# Altium PCB PCB1.PcbDoc
Units mm, origin at the board's own origin, x right, y up, seen from the top; angles counter-clockwise.
Board outline 97 x 56 mm, 2 copper layers (Top Layer, Bottom Layer); 74 components, 59 nets, 276 pads, 137 vias.
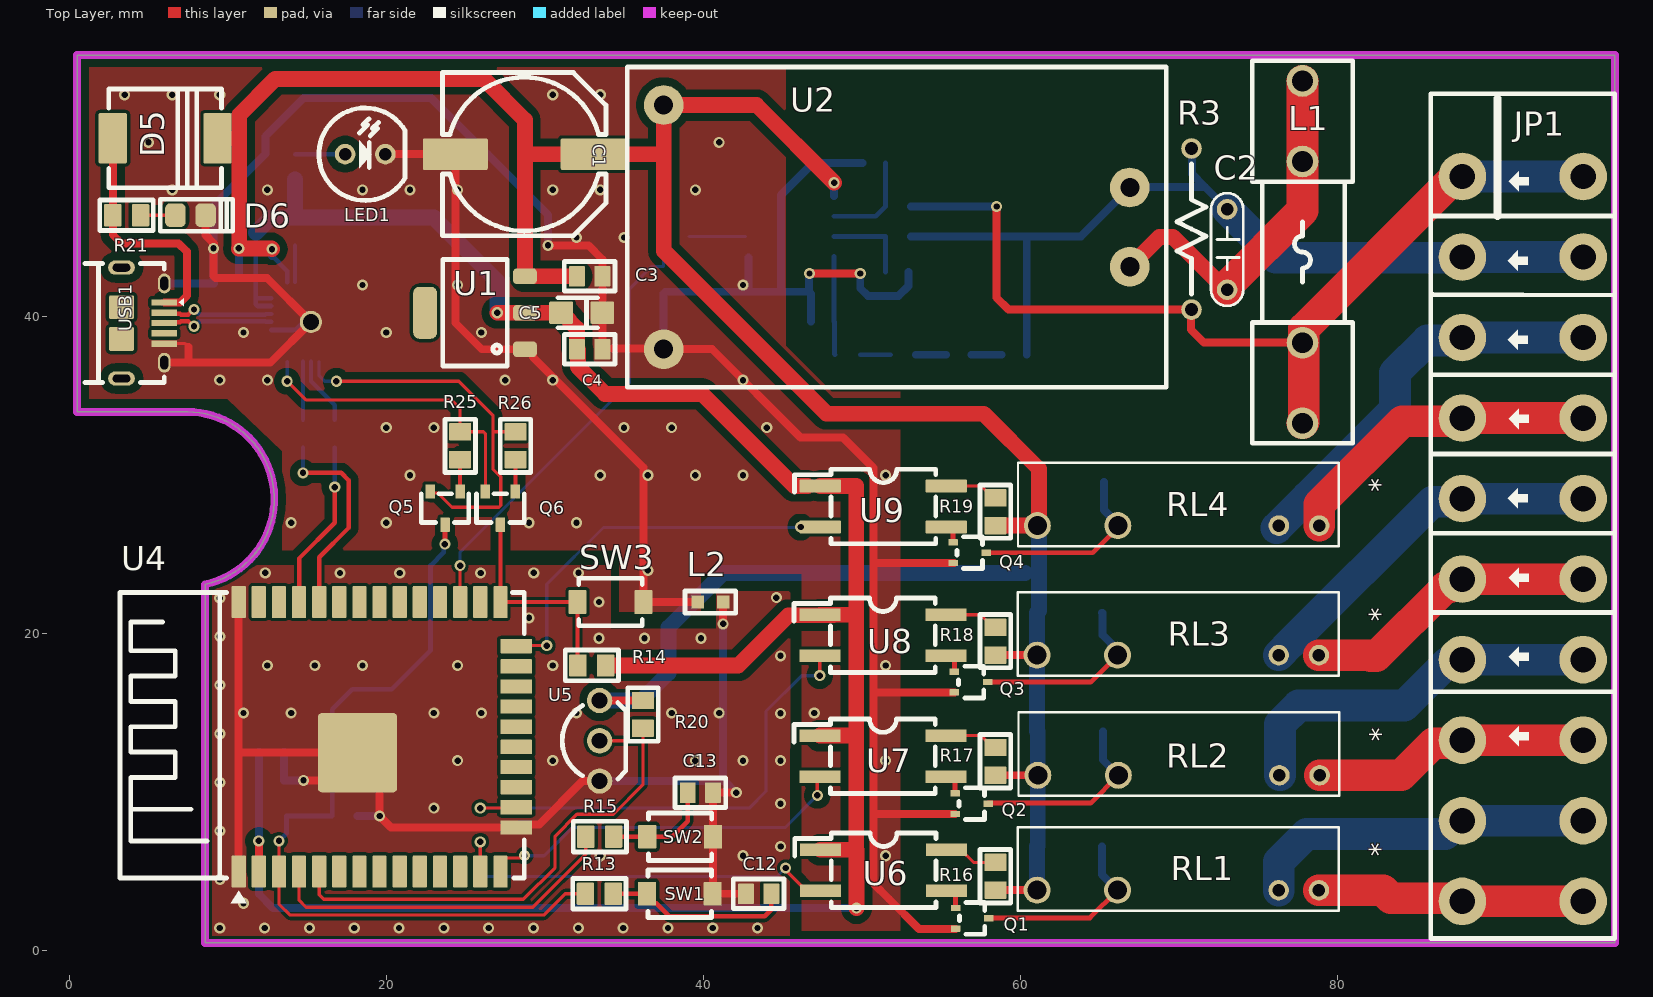
[diagram p0: Top Layer view]
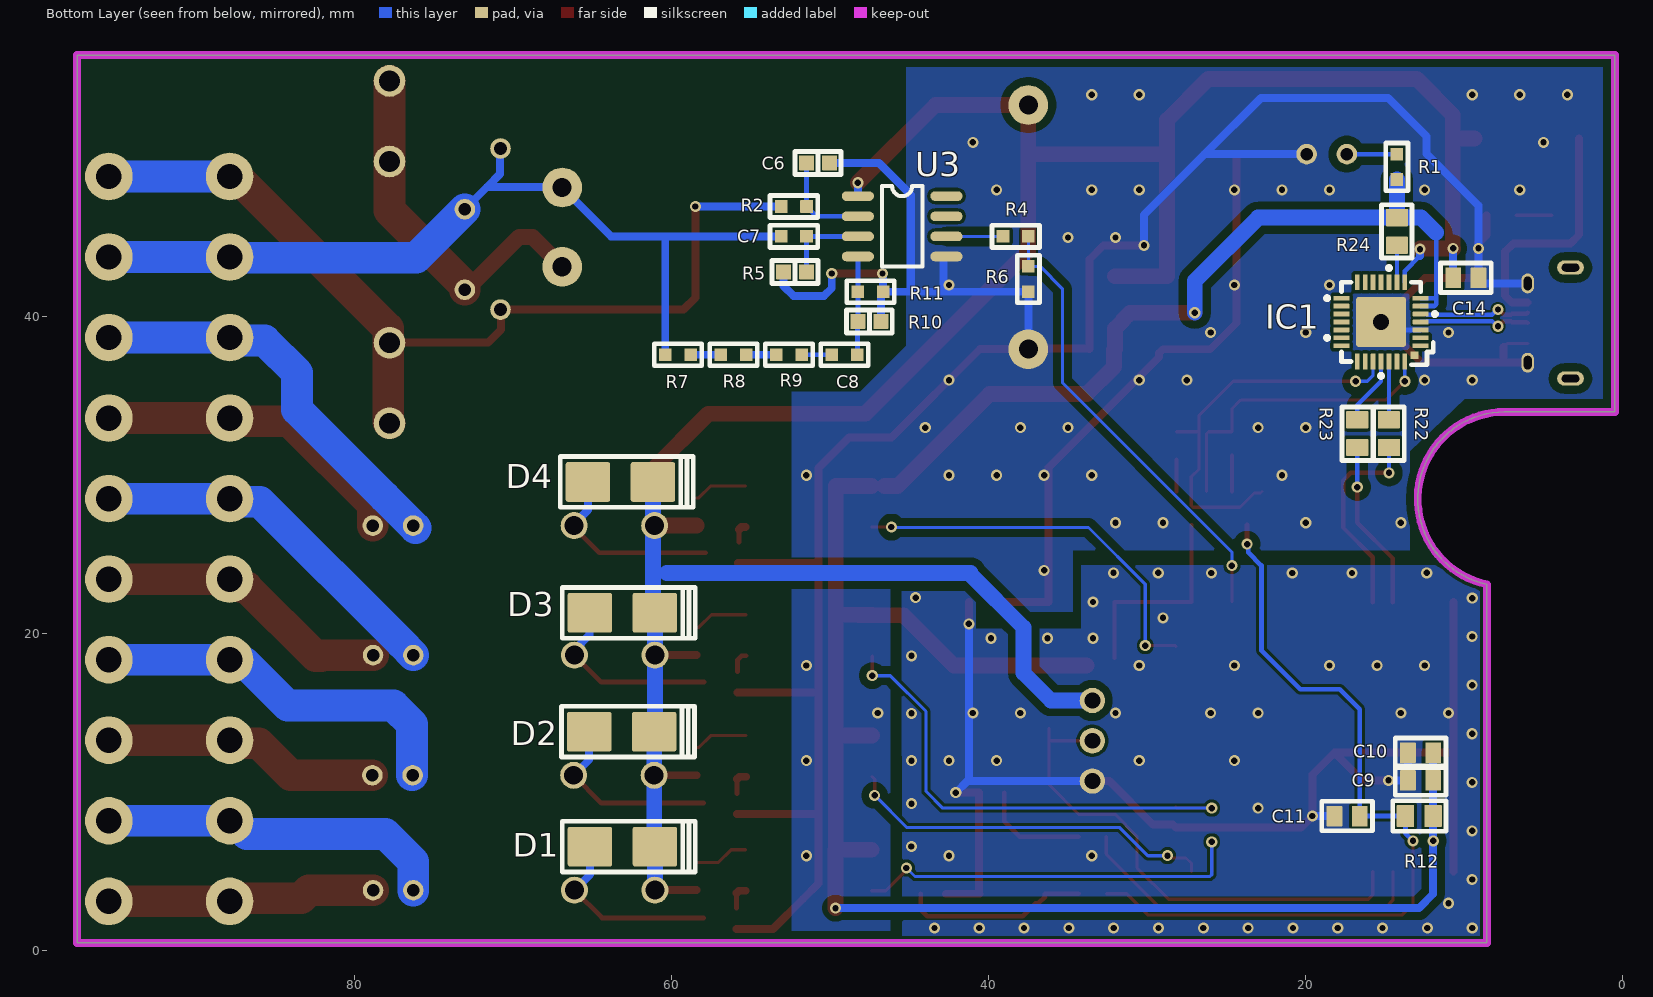
[diagram p1: Bottom Layer view, seen from below]
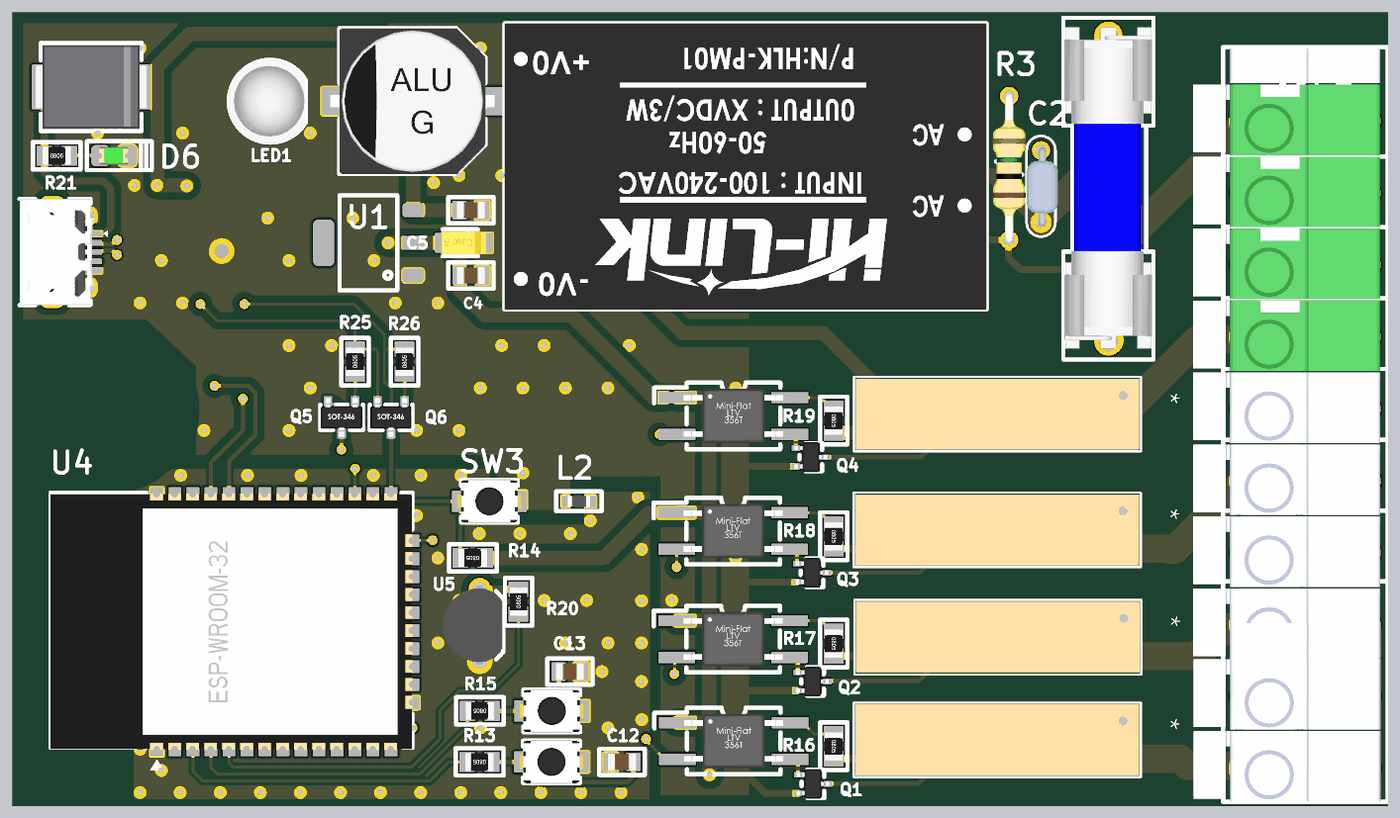
[diagram p2: 3D render of the assembled board from above, using the file's embedded part models]
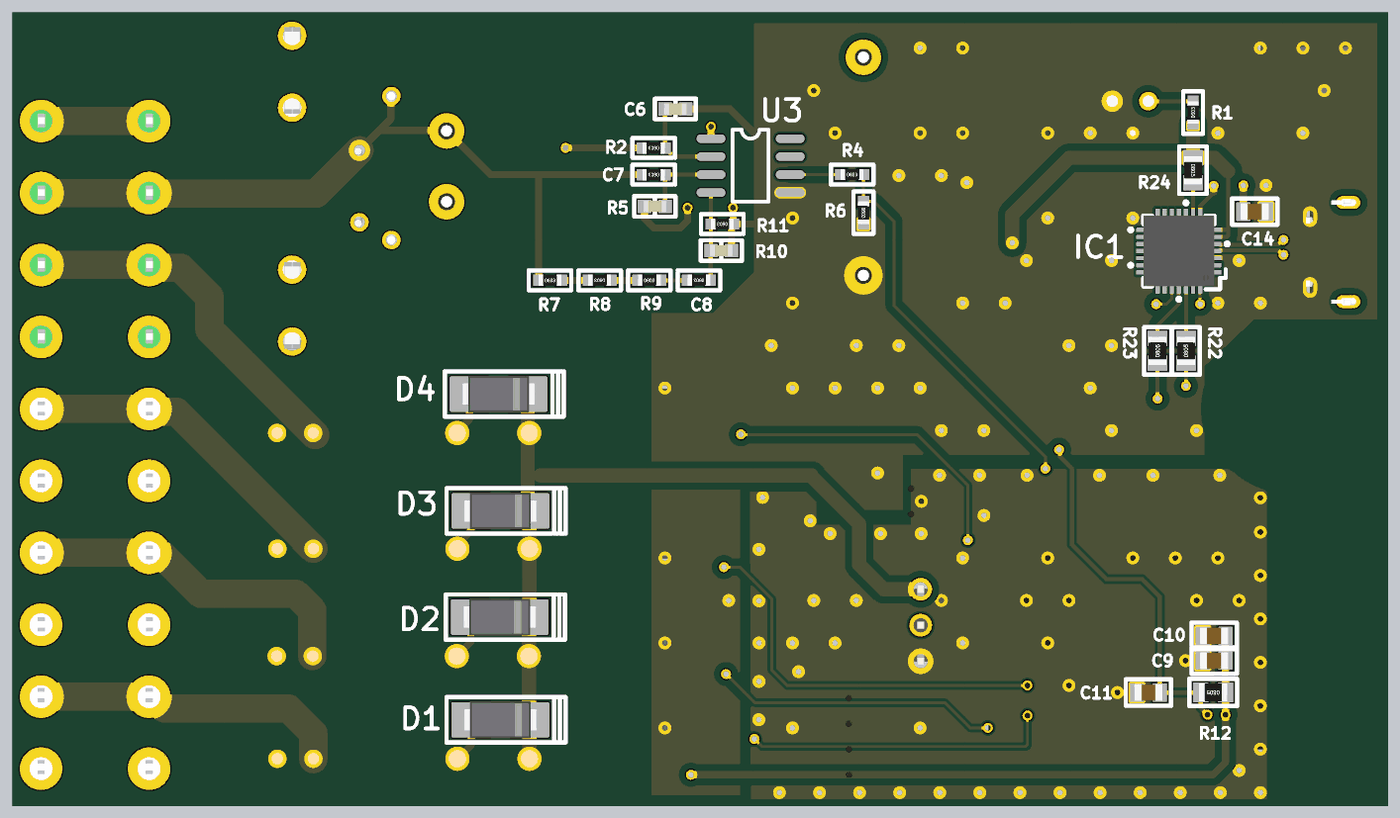
[diagram p3: 3D render of the assembled board from below, using the file's embedded part models]

## Layer stack, top to bottom
Top Solder: solder mask 0.0102, Solder Resist, Dk 3.5
Top Layer: signal copper 0.0356
Dielectric 1: dielectric 0.32, FR-4, Dk 4.8
Bottom Layer: signal copper 0.0356
Bottom Solder: solder mask 0.0102, Solder Resist, Dk 3.5

## Board outline
0.5,33.999 7.514,33.999 7.438,34 cw(c7.437,28.5) 8.581,23.12 8.575,23.12 8.575,0.5 97.5,0.5 97.5,56.5 0.5,56.5

## Design rules (kind name [scope] priority, off if disabled: settings)
Clearance Clearance_90 [InNetClass('NC90')] p1: gap=0.12 ignorepadtopadclearanceinfootprint=FALSE
Clearance Clearance_PW [InNetClass('NC_PW')] p2: gap=0.5 ignorepadtopadclearanceinfootprint=FALSE except(0.15: Arc-Arc Arc-Track Arc-SMDPad Arc-THPad Arc-Hole Track-Track Track-SMDPad Track-THPad Track-Hole SMDPad-SMDPad SMDPad-Hole THPad-Hole; 0.2: SMDPad-THPad SMDPad-Via SMDPad-Fill SMDPad-Poly SMDPad-Region SMDPad-Text)
Clearance Clearance_Signal [All] p3: gap=0.2 ignorepadtopadclearanceinfootprint=FALSE
DiffPairsRouting [InDifferentialPairClass('DIFF90')] p1: maxlimit=0.127 minlimit=0.127 mostfreqgap=0.127 toplayer_minwidth=0.279 toplayer_maxwidth=0.279 toplayer_prefwidth=0.279 bottomlayer_minwidth=0.279 bottomlayer_maxwidth=0.279 bottomlayer_prefwidth=0.279 impedanceprofiledriven=TRUE impedanceprofileid={47119DB9-42C9-4A28-86A4-2072DF9BC5AB} impedanceprofilevalue=90.000000 maxuncoupledlength=12.7
MatchedLengths [InDifferentialPairClass('DIFF90')] p1: tolerance=0.127 checknetsindiffpair=FALSE checkdiffpairvsdiffpair=TRUE checkxsignals=TRUE checkothers=TRUE
PolygonConnect [All] p1: connectstyle=Direct reliefconductorwidth=0.5 reliefentries=4 polygonreliefangle="90 Angle" airgapwidth=0.5
RoutingVias [All] p1: holewidth=0.4 width=0.7 viastyle="Through Hole" minholewidth=0.4 minwidth=0.7 maxholewidth=0.4 maxwidth=0.7
SolderMaskExpansion [All] p1: expansion=0.102 istentingtop=FALSE
Width Width_PW [InNetClass('NC_PW')] p1: maxlimit=4 minlimit=0.2 preferedwidth=2
Width Width_Signal [All] p2: maxlimit=0.5 minlimit=0.15 preferedwidth=0.15
29 further rules are at their usual default settings.

## Classes and differential pairs
net class NC90: USB_N USB_P
differential pair class DIFF90: USB
net class NC_PW: 3.3V_ESP 5V NetC2_2 PGND RL1_1 RL1_2 RL2_1 RL2_2 RL3_1 RL3_2 RL4_1 RL4_2 V220L V220N
component class 04-OUTPUT: D1 D2 D3 D4 JP1 Q1 Q2 Q3 Q4 R16 R17 R18 R19 RL1 RL2 RL3 RL4 U6 U7 U8 U9
component class 02-ESP32: C9 C10 C11 C12 C13 R12 R13 R14 R15 SW1 SW2 U4 U5
component class 01-POWER: C1 C2 C3 C4 C5 C6 C7 C8 L1 L2 LED1 R1 R2 R3 R4 R5 R6 R7 R8 R9 R10 R11 U1 U2 U3
component class 05-USB-UART: C14 D5 D6 IC1 Q5 Q6 R20 R21 R22 R23 R24 R25 R26 SW3 USB1
differential pair USB: +USB_P -USB_N

## Components (designator, comment, footprint, x,y, rotation, side; value= is the part's Value field where it differs from the comment)
C1 "220uF" "CAP ALU CASE G SMD" 28.705,50.25 r180 top
C2 "0.1uF/275Vac" CN2 73.045,46.78 r270 top
C3 "0.1uF" CAP_CERA_C2012(CC0805INCH) 32.83,42.55 r180 top
C4 "0.1uF" CAP_CERA_C2012(CC0805INCH) 32.83,37.95 r180 top
C5 "22uF" "CAP TANT CASE A SMD" 32.33,40.25 r180 top
C6 "0.1uF" "Cap Ceramic 0603 SMD" 50.763,49.7 r0 bottom
C7 "0.1uF" "Cap Ceramic 0603 SMD" 52.212,42.825 r180 bottom
C8 "0.1uF" "Cap Ceramic 0603 SMD" 47.525,39.7 r0 bottom
C9 "22uF/25V/C0805/10%" CAP_CERA_C2012(CC0805INCH) 12.76,10.75 r180 bottom
C10 "0.1uF/25V/C0805/10%" CAP_CERA_C2012(CC0805INCH) 12.76,12.5 r180 bottom
C11 "0.1uF/25V/C0805/10%" CAP_CERA_C2012(CC0805INCH) 17.395,8.5 r180 bottom
C12 "10uF/25V/C0805/10%" CAP_CERA_C2012(CC0805INCH) 43.49,3.6 r180 top
C13 "10uF/25V/C0805/10%" CAP_CERA_C2012(CC0805INCH) 39.813,9.975 r0 top
C14 "0.1uF/25V" CAP_CERA_C2012(CC0805INCH) 9.9,42.45 r0 bottom
D1 "SSC53L-E3/57T" "1n4007 smd DO214" 63.103,6.574 r180 bottom
D2 "SSC53L-E3/57T" "1n4007 smd DO214" 63.148,13.824 r180 bottom
D3 "SSC53L-E3/57T" "1n4007 smd DO214" 63.103,21.324 r180 bottom
D4 "SSC53L-E3/57T" "1n4007 smd DO214" 63.228,29.574 r180 bottom
D5 "SK56L-TP" "30# SK56L-TPMSCT-ND" 6.052,51.25 r0 top
D6 "GREEN 0805" "Led 0805G" 7.652,46.4 r0 top
IC1 "CP2102-QFN28" CP2102-QFN28 15.25,39.668 r90 bottom
JP1 "JP8" "KF142V 10PIN" 91.69,31.065 r270 top value="Connector 8"
L1 "ASPI-7318-8R2M-TCT-ND" FUSE2_5A 77.795,44.075 r90 top
L2 "ASPI-7318-8R2M-TCT-ND" RES-ERJ3G-1608MM 40.45,22 r0 top
LED1 "LED" LED5R 17.405,50.25 r0 top value="LED 3 ly Single Colour"
Q1 "MCH3209-TL-E" "MCH3209-TL-E  SOT-323" 56.958,2.05 r270 top
Q2 "MCH3209-TL-E" "MCH3209-TL-E  SOT-323" 56.929,9.279 r270 top
Q3 "MCH3209-TL-E" "MCH3209-TL-E  SOT-323" 56.891,16.955 r270 top
Q4 "MCH3209-TL-E" "MCH3209-TL-E  SOT-323" 56.806,25.115 r270 top
Q5 "DTC143ZKAT146" "6# DTC143ZKAT146-E" 23.71,27.925 r180 top
Q6 "DTC143ZKAT146" "6# DTC143ZKAT146-E" 27.2,27.925 r180 top
R1 "10K" "Res 0603 SMD" 14.25,49.45 r90 bottom
R2 "1k" "Res 0603 SMD" 52.288,46.95 r0 bottom
R3 "1K" CFR25S 70.795,40.45 r90 top
R4 "10K" "Res 0603 SMD" 38.295,45.068 r180 bottom
R5 "1K" "Res 0603 SMD" 52.287,45.065 r0 bottom
R6 "15K" "Res 0603 SMD" 37.495,42.375 r270 bottom
R7 "470K" "Res 0603 SMD" 59.6,37.6 r180 bottom
R8 "470K" "Res 0603 SMD" 56.1,37.6 r0 bottom
R9 "470K" "Res 0603 SMD" 52.6,37.6 r180 bottom
R10 "470K" "Res 0603 SMD" 49.1,37.6 r0 bottom
R11 "1K" "Res 0603 SMD" 47.45,41.575 r0 bottom
R12 "10K/R0805/1%" "Res 0805 SMD" 12.835,8.5 r0 bottom
R13 "0R/R0805/1%" "Res 0805 SMD" 33.44,3.6 r180 top
R14 "4K7" "Res 0805 SMD" 36.19,14.915 r90 top
R15 "0R/R0805/1%" "Res 0805 SMD" 33.463,7.2 r180 top
R16 "10K" "Res 0805 SMD" 58.428,4.699 r270 top
R17 "10K" "Res 0805 SMD" 58.428,11.949 r270 top
R18 "10K" "Res 0805 SMD" 58.428,19.526 r270 top
R19 "10K" "Res 0805 SMD" 58.428,27.699 r270 top
R20 "10K" "Res 0805 SMD" 32.962,18 r180 top
R21 "1K" "Res 0805 SMD" 3.625,46.4 r0 top
R22 "1k" "Res 0805 SMD" 14.75,32.625 r90 bottom
R23 "1k" "Res 0805 SMD" 16.75,32.625 r90 bottom
R24 "4.7K" "Res 0805 SMD" 14.25,45.375 r270 bottom
R25 "10K" "Res 0805 SMD" 24.66,31.863 r90 top
R26 "10K" "Res 0805 SMD" 28.15,31.863 r90 top
RL1 "Relay T9GV1L14-5 30A 5V" RELAY_PA1A_PAN 78.833,6.491 r270 top
RL2 "Relay T9GV1L14-5 30A 5V" RELAY_PA1A_PAN 78.878,13.741 r270 top
RL3 "Relay T9GV1L14-5 30A 5V" RELAY_PA1A_PAN 78.833,21.319 r270 top
RL4 "Relay T9GV1L14-5 30A 5V" RELAY_PA1A_PAN 78.848,29.491 r270 top
SW1 "RST" "Button 3x4mm" 38.515,3.6 r180 top
SW2 "RST" "Button 3x4mm" 38.538,7.2 r180 top
SW3 "FLASH" "Button 3x4mm" 34.14,22 r0 top
U1 "AMS1117" AMS1117-3.3V 25.6,40.248 r180 top
U2 "HLK-5M05" "HILINK 5V/3W" 52.2,45.65 r180 top
U3 "HLW8032" SO-8 48.25,47.605 r180 bottom
U4 "ESP-WROOM-32" "ESP32 WROOM" 10.69,5 r90 top
U5 "DS18B20" P2N2222AG 33.462,13.25 r90 top
U6 "TPC817S1B-SOP4" TPC817-4SOP 51.37,5.083 r0 top
U7 "TPC817S1B-SOP4" TPC817-4SOP 51.328,12.277 r0 top
U8 "TPC817S1B-SOP4" TPC817-4SOP 51.328,19.902 r0 top
U9 "TPC817S1B-SOP4" TPC817-4SOP 51.354,28.027 r0 top
USB1 "USB_Micro" "USB_MICRO_B - Digikey" 6,40.9 r270 top

## Footprints (in the part's own frame and the unit in brackets; to place one, negate y for a bottom-side part, rotate by r counter-clockwise, add the part's x,y. Pads: shape width x height; smd on the part's side, far side on the other; paste and mask are expansions set on the pad)
"1n4007 smd DO214" [mm] "DO214 4.57x2.79mm"
  rrect10% 2.8x2.5 smd mask+0.1: 1(-2.05,0) 2(2.05,0)
  silkscreen extent -3.8,-1.6 4.6,1.6, body extent -2.6,-1.3 2.6,1.3, height 2.5
"6# DTC143ZKAT146-E" [mm] "SOT-346 SMT3"
  rrect10% 0.6x0.9 smd mask+0.05: 1(0.95,-1.05) 2(-0.95,-1.05) 3(0,1.05)
  silkscreen extent -1.5,-0.9 1.5,0.9, body extent -1.45,-1.4 1.45,1.4, height 1.2
"30# SK56L-TPMSCT-ND" [mil] "SK56L-TPMSCT-ND(DO-214AB)"
  rrect10% 70x125 smd: 1(-130,0) 2(130,0)
  silkscreen extent -140,-122 140,122, body extent -156,-116 157,116, height 87
AMS1117-3.3V [mm] "SOT223, 4-Leads, Body 6.7x7.3mm (max), Pitch 2.30mm, IPC Medium Density"
  rrect50% 1.5x1 smd: 1(-3.15,2.3) 2(-3.15,0) 3(-3.15,-2.3)
  rrect50% 1.5x3.28 smd: 4(3.15,0)
  silkscreen extent -2.03,-3.35 2.03,3.35
"Button 3x4mm" [mm] "SMD 3x4mm"
  rrect10% 1.143x1.5 smd: 1(-2.075,0) 2(2.075,0)
  silkscreen extent -2,-1.5 2,1.5, body extent -2.25,-1.55 2.25,1.55, height 2.05
"CAP ALU CASE G SMD" [mm]
  rrect10% 4.1x2 smd mask+0.1: 1(-4.35,0) 2(4.35,0)
  silkscreen extent -5.15,-5.15 5.15,5.15, body extent -5.8,-5.15 5.8,5.15, height 10.2
"Cap Ceramic 0603 SMD" [mm] "Reflow Soldering"
  rrect10% 0.95x0.95 smd mask+0.1: 1(-0.725,0) 2(0.725,0)
  silkscreen extent -1.45,-0.72 1.45,0.73, body extent -0.8,-0.4 0.8,0.4, height 0.85
"CAP TANT CASE A SMD" [mm] "32x16mm"
  rrect10% 1.5x1.4 smd mask+0.1: 1(-1.3,0) 2(1.3,0)
  silkscreen extent -1,-0.95 1.5,0.95, body extent -1.6,-0.8 1.6,0.8, height 1.65
CAP_CERA_C2012(CC0805INCH) [mm] "Chip Capacitor, 2-Leads, Body 2.0x1.3mm, IPC Medium Density"
  rrect10% 1x1.3 smd: 1(-0.8,0) 2(0.8,0)
  silkscreen extent -1.6,-0.93 1.6,0.93, body extent -1,-0.6 1,0.6, height 0.95
CFR25S [mm] "RESISTOR_1/4W"
  round 1.3 hole 0.8: 1(0,0) 2(10.16,0)
  silkscreen extent 0.98,-0.92 9.18,0.92, body extent -0.3,-1.16 10.47,1.16, height 2.93
CN2 [mm]
  round 1.3 hole 0.8 mask+0.1: 1(0,0) 2(5.08,0)
  silkscreen extent -1.01,-1.02 6.09,1.02, body extent -0.19,-1.01 5.39,1.2, height 6.08
CP2102-QFN28 [mm] "QFN28 5x5 pitch 0.5"
  rrect10% 0.3x1 smd mask+0.05: 1(-1.5,-2.5) 2(-1,-2.5) 3(-0.5,-2.5) 4(0,-2.5) 5(0.5,-2.5) 6(1,-2.5) 7(1.5,-2.5) 15(1.5,2.5) 16(1,2.5) 17(0.5,2.5) 18(0,2.5) 19(-0.5,2.5) 20(-1,2.5) 21(-1.5,2.5)
  rrect10% 1x0.3 smd mask+0.05: 8(2.5,-1.5) 9(2.5,-1) 10(2.5,-0.5) 11(2.5,0) 12(2.5,0.5) 13(2.5,1) 14(2.5,1.5) 22(-2.5,1.5) 23(-2.5,1) 24(-2.5,0.5) 25(-2.5,0) 26(-2.5,-0.5) 27(-2.5,-1) 28(-2.5,-1.5)
  round 1.4 hole 1 mask+0.2: 29(0,0)
  rrect10% 3.15x3.15 smd mask+0.05: 29(0,0)
  rrect10% 0.5x0.5 smd mask+0.05: ""(-2.1,-2.1)
  silkscreen extent -3.5,-3.5 3.5,3.5, body extent -2.5,-2.5 2.5,2.5, height 1
"ESP32 WROOM" [mm] "ESP32 WROOM"
  rrect10% 2x0.9 smd: 1(0,0) 2(0,-1.27) 3(0,-2.54) 4(0,-3.81) 5(0,-5.08) 6(0,-6.35) 7(0,-7.62) 8(0,-8.89) 9(0,-10.16) 10(0,-11.43) 11(0,-12.7) 12(0,-13.97) 13(0,-15.24) 14(0,-16.51) 25(17,-16.51) 26(17,-15.24) 27(17,-13.97) 28(17,-12.7) 29(17,-11.43) 30(17,-10.16) 31(17,-8.89) 32(17,-7.62) 33(17,-6.35) 34(17,-5.08) 35(17,-3.81) 36(17,-2.54) 37(17,-1.27) 38(17,0)
  rrect10% 0.9x2 smd: 15(2.785,-17.51) 16(4.055,-17.51) 17(5.325,-17.51) 18(6.595,-17.51) 19(7.865,-17.51) 20(9.135,-17.51) 21(10.405,-17.51) 22(11.675,-17.51) 23(12.945,-17.51) 24(14.215,-17.51)
  rrect10% 5x5 smd: 39(7.5,-7.5)
  silkscreen extent -2,-18.02 17.6,7.49, body extent -0.54,-18.02 17.54,7.52, height 3
FUSE2_5A [mm] "Fuse 2.5A  250V"
  round 2 hole 1.3: 1(-10.795,0) 1(-5.715,0) 2(5.715,0) 2(10.795,0)
  silkscreen extent -12.06,-3.18 12.06,3.18, body extent -11.3,-3.09 11.4,3.1, height 9.6
"HILINK 5V/3W" [mm]
  round 2.5 hole 1.2: 1(-14.7,2.5) 2(-14.7,-2.5) 3(14.7,7.7) 4(14.7,-7.7)
  silkscreen extent -17,-10.1 17,10.1, body extent -17,-10.1 17,10.1, height 15.01
"KF142V 10PIN" [mm]
  round 3 hole 1.6 mask+0.1: 1(-17.78,-3.81) 2(-12.7,-3.81) 3(-7.62,-3.81) 4(-2.54,-3.81) 5(2.54,-3.81) 6(7.62,-3.81) 7(12.7,-3.81) 8(17.78,-3.81) 9(22.86,-3.81) 10(27.94,-3.81) 11(27.94,3.81) 12(22.86,3.81) 13(17.78,3.81) 14(12.7,3.81) 15(7.62,3.81) 16(2.54,3.81) 17(-2.54,3.81) 18(-7.62,3.81) 19(-12.7,3.81) 20(-17.78,3.81)
  silkscreen extent -23,-5.81 30.28,5.8, body extent -22.89,-7.91 30.27,5.3, height 14.1
LED5R [mm] "LED, RED, 2 LEAD, 5mm"
  round 1.3 hole 0.8: 1(0,0) 2(2.54,0)
  silkscreen extent -1.65,-2.92 3.77,2.92, body extent -1.71,-3.01 3.71,3.01, height 12.31
"Led 0805G" [mm] "Chip LED; Green; Body 2.0 x 1.3 mm (LxW typ)"
  rrect50% 1.3x1.5 smd: 1(-0.95,0) 2(0.95,0)
  silkscreen extent -1.91,-1.02 2.67,1.02, body extent -1.04,-0.62 0.98,0.62, height 1.1
"MCH3209-TL-E  SOT-323" [mm] "TRANS NPN 30V 3A MCPH3  SOT-323"
  rrect10% 0.4x0.6 smd mask+0.1: 1(-0.65,-1.05) 2(0.65,-1.05) 3(0,1.05)
  silkscreen extent -1,-0.8 1.1,0.8, body extent -1.05,-1.15 1.05,1.15, height 0.9
P2N2222AG [mm] "TO-92 Bent Lead, Flat Index; 3 In-Line, Axial Leads; Body Dia. 4.5mm; Leads 0.51 x 0.48 mm (max)"
  round 1.6 hole 1 mask+0.1: 1(-2.54,0) 2(0,0)
  round 1.6 hole 1: 3(2.54,0)
  silkscreen extent -2.41,-1.65 2.41,2.37, body extent -2.79,-1.59 2.79,2.61, height 10
RELAY_PA1A_PAN [mil]
  round 67 / inner round 60 / far side round 67 hole 47 paste-99999 mask+0: 1(105,-700) 2(105,-500)
  round 51 / inner round 60 / far side round 51 hole 31 paste-99999 mask+0: 3(105,-100) 4(105,0)
  silkscreen extent -51,-748 156,49, body extent -46,-743 151,44, height 492
"Res 0603 SMD" [mm] "Reflow Soldering"
  rrect5% 0.8x0.8 smd mask+0.1: 1(-0.8,0) 2(0.8,0)
  silkscreen extent -1.5,-0.7 1.5,0.7, body extent -0.8,-0.4 0.8,0.4, height 0.48
"Res 0805 SMD" [mm] "Reflow Soldering"
  rrect10% 1.1x1.4 smd mask+0.1: 1(-0.875,0) 2(0.875,0)
  silkscreen extent -1.69,-0.97 1.67,0.96, body extent -1,-0.63 1,0.63, height 0.62
RES-ERJ3G-1608MM [mm] "Chip Resistor, Body 1608mm, 0.1W 0603inch"
  rrect5% 0.8x0.8 smd mask+0.1: 1(-0.8,0) 2(0.8,0)
  silkscreen extent -1.6,-0.7 1.6,0.7, body extent -0.8,-0.4 0.8,0.4, height 0.55
SO-8 [mil]
  oval 80x24 smd: 1(0,0) 2(0,-50) 3(0,-100) 4(0,-150) 5(220,-150) 6(220,-100) 7(220,-50) 8(220,0)
  silkscreen extent 60,-175 160,25
TPC817-4SOP [mm] "OPTOISO 5KV TRANS 4SOP"
  rrect10% 2.6x0.8 smd: 1(-3.975,1.295) 2(-3.975,-1.295) 3(3.975,-1.295) 4(3.975,1.295)
  silkscreen extent -5.6,-2.35 3.3,2.35, body extent -3.5,-1.92 3.5,1.93, height 2
"USB_MICRO_B - Digikey" [mm] "USB_MICRO_B, 609-4618-1-ND"
  rrect10% 0.4x1.6 smd: 1(0,0) 2(0.65,0) 3(1.3,0) 4(1.95,0) 5(2.6,0)
  oval 1.25x0.8 hole 0.85 slot 0.5 at 90 deg: 6(-1.2,0) 7(3.8,0)
  oval 0.9x1.7 hole 0.5 slot 1.1 at 90 deg: 8(-2.2,-2.7) 9(4.8,-2.7)
  rrect10% 1.5x1.55 smd: ""(0.3,-2.7) ""(2.3,-2.7)
  silkscreen extent -2.45,-5 5.05,1.22, body extent -2.45,-5 5.05,0.29, height 2.61
